# Altium PCB Iris.PcbDoc (part 7 of 13) (continued)
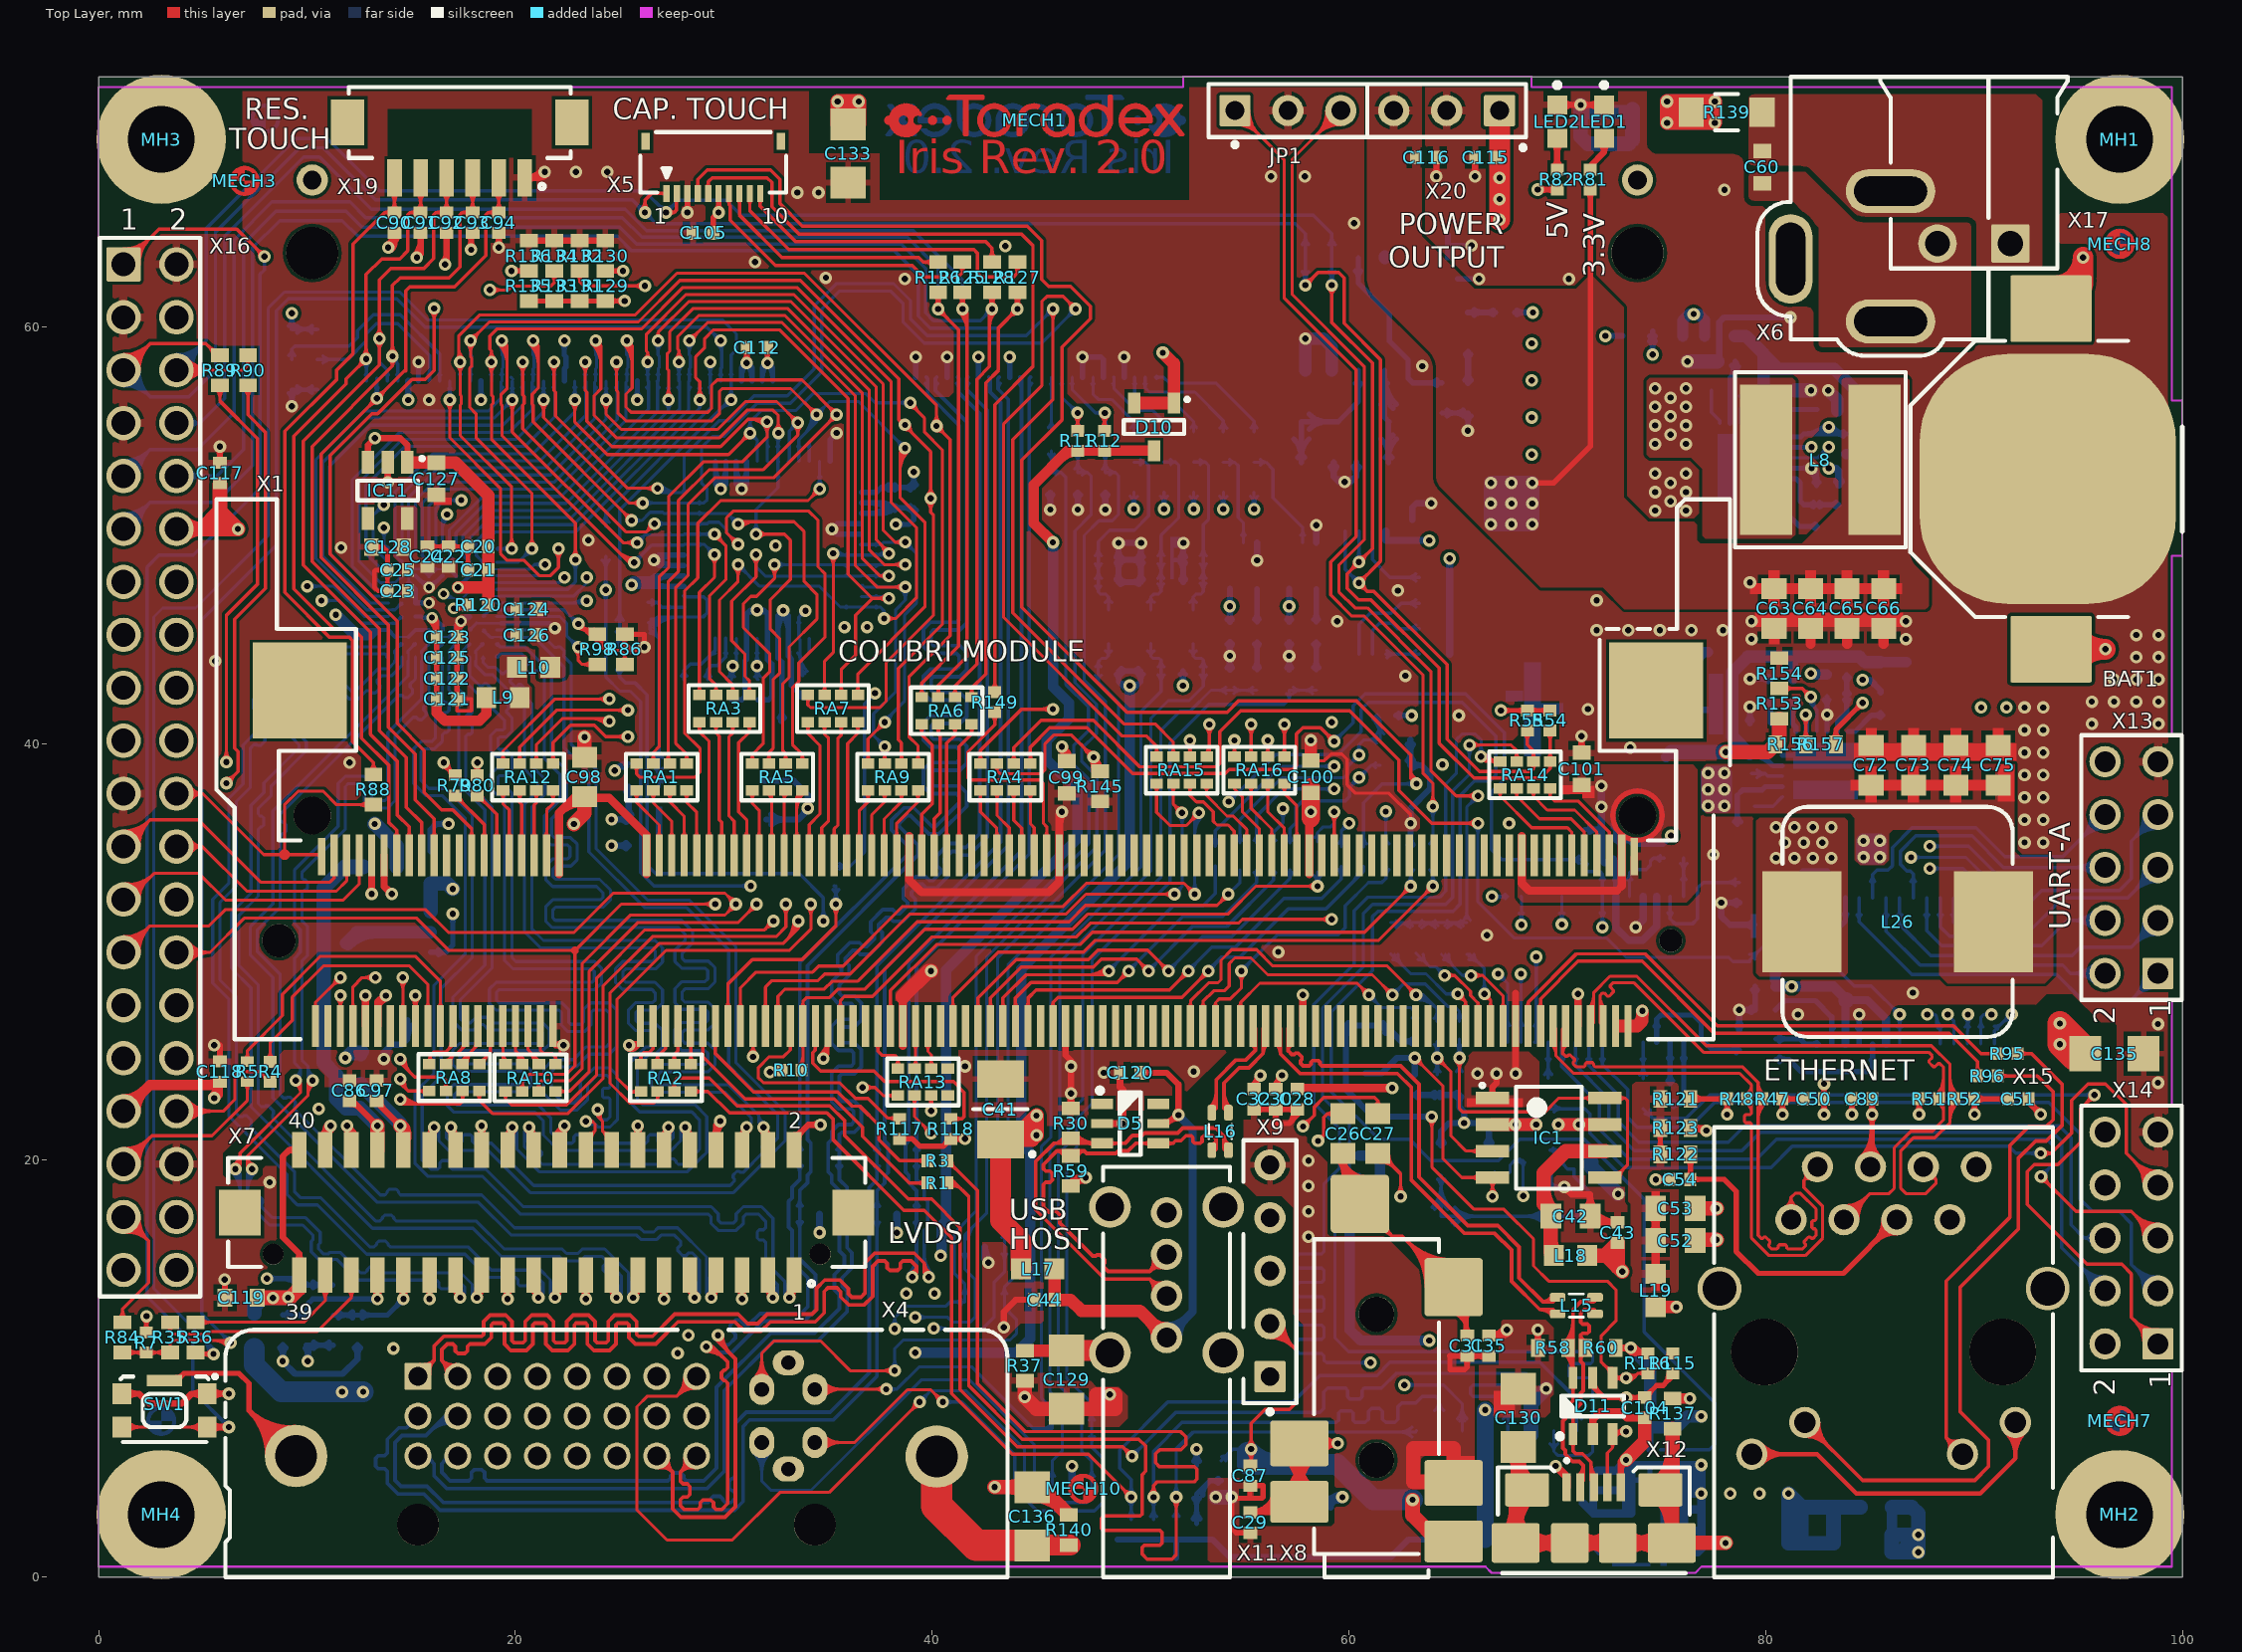
[diagram p0: Top Layer view]
## Nets (pads, with @x,y where several pads share a name; then routed paths per layer and width w, separated by ;. In a path a pad name is that pad's centre, name@x,y a point inside that pad or via, vN(x,y) a via of type N, cw(c..) or ccw(c..) an arc to the next point about the centre after c; other vN are vias at no path point) (continued)
  Bottom Layer w0.15: v1@16.013,21.432 cw(c15.815,20.962) 16.325,20.962 ; v1@16.071,21.52 cw(c15.91,21.137) 16.325,21.137 ; v1@16.129,21.658 cw(c16.005,21.363) 16.325,21.363 16.325,20.95 16.802,20.472 18.707,20.472 20.738,18.442 30.443,18.442 32.944,20.943 32.944,22.327 30.582,24.689 30.582,30.251 28.346,32.487 26.34,32.487 23.876,34.95 23.876,38.76 22.682,39.954 22.682,43.815 22.327,44.171 22.327,44.298 22.35,44.321 22.35,44.448 22.159,44.639 22.032,44.639 22.008,44.616 21.881,44.616 21.047,45.45 IC9.C9@19.1,45.45
LVDS_BL_CTRL: R35.1 X7.35 | length 12.5
  Top Layer w0.152: R35.1@3.289,12.026 cw(c3.108,11.76) 3.429,11.76 ; R35.1@3.429,12.231 3.429,11.76 ; R35.1@3.569,12.026 ccw(c3.75,11.76) 3.429,11.76 ; X7.35@11.951,13.789 cw(c11.648,13.42) 12.125,13.42 ; X7.35@12.125,14.5 12.125,13.42 ; X7.35@12.299,13.789 ccw(c12.602,13.42) 12.125,13.42 ; 3.429,11.76 3.531,11.659 5.232,11.659 5.359,11.786 10.49,11.786 12.125,13.42
LVDS_BL_ON: R36.1 X7.37 | length 9.9
  Top Layer w0.152: R36.1@4.648,12.231 9.844,12.231 10.875,13.263 X7.37@10.875,14.5 ; R36.1@4.924,12.055 cw(c5.349,11.631) 5.349,12.231 cw(c5.349,12.832) R36.1@4.924,12.407 ; X7.37@10.681,13.806 cw(c10.214,13.339) 10.875,13.339 cw(c11.536,13.339) X7.37@11.069,13.806
LVDS_DDRN#: IC9.E9 R133.2 R134.1 | length 53.9
  Top Layer w0.15: v1@18.674,61.822 v1@18.776,61.822 ; v1(18.776,61.771) 19.658,61.771 19.836,61.949 21.69,61.949 21.869,62.128 R134.1@21.869,62.687 ; v1@18.935,61.612 cw(c19.319,61.228) 19.319,61.771 cw(c19.319,62.315) v1@18.935,61.93 ; R134.1@21.709,62.498 cw(c21.421,62.154) 21.869,62.154 ; R134.1@21.709,62.495 cw(c21.425,62.154) 21.869,62.154 ; R134.1@22.029,62.495 ccw(c22.313,62.154) 21.869,62.154 ; R134.1@22.03,62.498 ccw(c22.318,62.154) 21.869,62.154
  MidLayer2 w0.15: v1@18.617,61.612 ccw(c18.233,61.228) 18.233,61.771 ccw(c18.233,62.315) v1@18.617,61.93 ; v1(18.776,61.771) 18.058,61.771 17.422,61.135 17.422,60.89 16.526,59.995 12.802,59.995 11.207,58.4 11.207,54.26 8.294,51.347 8.294,46.924 10.257,44.962 12.603,44.962 16.18,48.539 17.958,48.539 19.075,47.422 22.747,47.422 v1@23.419,46.75 ; 22.861,47.308 ccw(c23.419,47.865) v1@23.419,47.077 ; 23.107,47.062 cw(c22.896,46.852) v1@23.194,46.852 ; 23.117,47.051 ccw(c23.419,47.353) v1@23.419,46.927
  Bottom Layer w0.15: IC9.E9@19.1,46.75 23.317,46.75 v1(23.419,46.852) ; 22.63,46.75 ccw(c22.63,47.64) v1@23.26,47.011 ; 22.992,46.75 ccw(c22.992,47.278) v1@23.366,46.905 ; 23.121,46.75 cw(c23.121,46.554) v1@23.26,46.693
LVDS_I2C_SCL: R90.2 X7.38 | length 53.3
  Top Layer w0.165: v1(6.127,38.1) 6.68,38.653 6.68,39.624 6.528,39.776 6.528,45.974 8.001,47.447 8.001,54.937 7.163,55.775 R90.2@7.163,57.188 ; v1@6.127,38.318 ccw(c6.127,38.843) 6.499,38.471 ccw(c6.87,38.1) v1@6.345,38.1 ; R90.2@6.991,57.017 cw(c6.577,56.603) 7.163,56.603 cw(c7.748,56.603) R90.2@7.334,57.017
  Top Layer w0.3: X7.38@10.734,21.18 cw(c11.353,20.823) v1@11.168,21.513 ; X7.38@10.754,21.159 ccw(c10.568,21.404) 10.875,21.404 ; X7.38@10.788,20.952 cw(c11.099,21.124) 10.847,21.376 ; X7.38@10.818,21.324 cw(c11.135,21.141) v1@11.131,21.508 ; X7.38@10.875,20.5 10.875,21.404 ; X7.38@10.875,20.682 cw(c12.104,20.682) v1@11.235,21.552 ; 10.875,21.407 cw(c11.38,21.407) v1@11.023,21.764 ; v1@10.979,21.657 cw(c10.624,21.655) 10.875,21.404 ; X7.38@10.996,21.159 cw(c11.182,21.404) 10.875,21.404 ; X7.38@11.05,21.097 cw(c11.462,21.325) v1(11.129,21.658) 10.875,21.404 ; v1@11.128,21.508 ccw(c11.126,21.153) 10.875,21.404
  MidLayer1 w0.165: v1@5.973,37.946 cw(c5.602,37.575) 6.127,37.575 cw(c6.652,37.575) v1@6.281,37.946 ; 6.127,37.795 6.127,36.24 11.938,30.429 13.818,30.429 15.798,28.449 15.798,27.533 14.427,26.162 13.284,26.162 12.639,25.517 12.639,23.942 11.129,22.432 v1(11.129,21.658) ; v1@10.975,21.811 ccw(c10.604,22.183) 11.129,22.183 ccw(c11.654,22.183) v1@11.283,21.811
LVDS_I2C_SDA: R89.2 X7.36 | length 52.8
  Top Layer w0.165: R89.2@5.645,57.017 cw(c5.231,56.603) 5.817,56.603 cw(c6.402,56.603) R89.2@5.988,57.017 ; R89.2@5.817,57.188 5.817,56.439 7.62,54.635 7.62,47.65 6.127,46.158 v1(6.127,39.116) ; v1@5.973,39.27 ccw(c5.602,39.641) 6.127,39.641 ccw(c6.652,39.641) v1@6.281,39.27
  Top Layer w0.3: v1@11.816,21.552 cw(c11.069,20.805) X7.36@12.125,20.805 ; v1@11.884,21.513 cw(c11.714,20.871) X7.36@12.289,21.203 ; v1@11.93,21.508 cw(c11.947,21.221) 12.196,21.365 ; X7.36@11.964,21.118 ccw(c11.628,21.363) v1(11.922,21.658) v1@12.125,21.454 ; X7.36@11.99,21.147 ccw(c11.709,21.454) v1@12.125,21.454 ; X7.36@12.125,20.5 v1@12.125,21.454 ; 12.169,21.41 cw(c11.914,21.154) X7.36@12.206,20.941 ; X7.36@12.26,21.147 cw(c12.541,21.454) v1@12.125,21.454
  MidLayer1 w0.165: v1@6.127,38.898 cw(c6.127,38.373) 6.499,38.745 cw(c6.87,39.116) v1@6.345,39.116 ; v1(6.127,39.116) 6.67,38.573 6.67,36.357 12.131,30.896 14.011,30.896 16.265,28.642 16.265,27.339 14.621,25.695 13.478,25.695 13.106,25.324 13.106,23.622 11.922,22.437 v1(11.922,21.658) ; v1@11.768,21.811 ccw(c11.397,22.183) 11.922,22.183 ccw(c12.447,22.183) v1@12.076,21.811
LVDS_OE: IC9.D9 R98.2 R135.2 R136.1 | length 57.4
  Top Layer w0.15: v1@19.814,62.689 R136.1@20.744,62.689 ; v1@19.933,62.689 cw(c19.933,62.078) R136.1@20.365,62.51 ; v1@19.944,62.689 ccw(c19.944,63.285) R136.1@20.365,62.864 ; v1@19.971,62.53 cw(c20.355,62.146) 20.355,62.689 cw(c20.355,63.233) v1@19.971,62.849 ; v1@19.988,62.549 cw(c20.18,62.396) R136.1@20.244,62.633 ; v1@19.989,62.55 cw(c20.18,62.4) R136.1@20.243,62.635 ; v1@19.989,62.828 ccw(c20.18,62.979) R136.1@20.243,62.744 ; v1@19.99,62.827 ccw(c20.18,62.975) R136.1@20.242,62.742 ; 20.211,62.734 ccw(c20.299,62.408) 20.007,62.577 cw(c20.303,62.406) 20.214,62.736 ; 20.214,62.643 cw(c20.303,62.973) 20.007,62.802 ccw(c20.307,62.975) R136.1@20.217,62.641 ; R136.1@20.365,62.513 ccw(c19.938,62.086) 19.938,62.689 ccw(c19.938,63.293) R136.1@20.365,62.866 ; v1@22.867,44.455 cw(c22.558,44.114) 23.019,44.114 cw(c23.48,44.114) v1@23.17,44.455 ; v1(23.019,44.622) 23.019,43.987 23.204,43.801 R98.2@23.927,43.801 ; R98.2@23.649,43.626 ccw(c23.229,43.212) 23.229,43.801 ccw(c23.229,44.39) R98.2@23.649,43.977
  MidLayer2 w0.15: v1@19.653,62.53 ccw(c19.269,62.146) 19.269,62.689 ccw(c19.269,63.233) v1@19.653,62.849 ; v1(19.812,62.689) 17.96,62.689 17.069,61.798 17.069,61.036 16.383,60.35 12.065,60.35 10.668,58.953 10.668,54.483 7.755,51.57 7.755,46.701 9.835,44.622 v1(23.019,44.622) ; v1@22.86,44.463 ccw(c22.475,44.078) 22.475,44.622 ccw(c22.475,45.165) v1@22.86,44.781
  Bottom Layer w0.15: IC9.D9@19.1,46.1 22.124,46.1 22.454,45.771 22.454,45.187 v1(23.019,44.622) ; v1@22.794,44.622 ccw(c22.25,44.622) 22.634,45.006 ccw(c23.019,45.39) v1@23.019,44.847
LVDS_PWR_IN_UNREG: C119.2 L11.2 X7.39 X7.40 | length 13.4
  Top Layer w0.3: X7.39@9.484,15.141 ccw(c9.142,15.483) 9.625,15.483 ccw(c10.108,15.483) X7.39@9.766,15.141 ; X7.40@9.483,20.359 ccw(c9.146,20.027) 9.146,20.5 ; X7.40@9.483,20.641 cw(c9.146,20.973) 9.146,20.5 ; X7.39@9.625,13.841 X7.39@9.625,14.5 9.625,15.521 8.839,16.307 8.839,20.193 9.146,20.5 ; X7.40@9.625,20.5 9.146,20.5
  Top Layer w0.7: C119.2@7.608,13.411 8.966,13.411 9.195,13.411 X7.39@9.625,13.841
  Bottom Layer w0.7: L11.2@7.468,12.652 7.468,12.979 7.89,13.402 9.084,13.402 v1(9.093,13.411)
  other v1: 8.357,13.402
LVDS_RF#: IC9.G8 R129.2 R130.1 | length 57.4
  Top Layer w0.15: R129.2@24.308,62.687 v1@25.161,62.687 ; R129.2@24.508,62.508 cw(c24.94,62.076) v1@24.94,62.687 ; R129.2@24.508,62.51 cw(c24.935,62.084) 24.935,62.687 cw(c24.935,63.291) R129.2@24.508,62.864 ; R129.2@24.508,62.862 ccw(c24.93,63.283) v1@24.93,62.687 ; R129.2@24.731,62.631 cw(c24.795,62.394) v1@24.987,62.547 ; R129.2@24.732,62.633 cw(c24.795,62.398) v1@24.986,62.548 ; R129.2@24.732,62.742 ccw(c24.795,62.977) v1@24.986,62.826 ; 24.733,62.74 ccw(c24.795,62.972) v1@24.985,62.825 ; 24.758,62.638 ccw(c24.668,62.973) 24.968,62.8 cw(c24.672,62.971) 24.761,62.641 ; 24.761,62.734 cw(c24.672,62.404) 24.968,62.575 ccw(c24.677,62.406) 24.764,62.732 ; v1@25.004,62.528 ccw(c24.62,62.144) 24.62,62.687 ccw(c24.62,63.23) v1@25.004,62.846
  MidLayer2 w0.15: 11.086,45.658 9.373,47.371 9.373,50.901 12.285,53.813 12.285,56.684 12.776,57.175 16.104,57.175 16.713,57.785 16.713,59.08 17.78,60.147 25.806,60.147 27.026,61.366 27.026,62.332 26.67,62.687 v1(25.163,62.687) ; 11.1,45.644 11.786,45.644 15.596,49.454 18.566,49.454 19.423,48.596 v1(21.428,48.596) v1@21.441,48.596 ; v1@21.269,48.437 ccw(c20.885,48.053) 20.885,48.596 ccw(c20.885,49.14) v1@21.269,48.755 ; v1@25.322,62.528 cw(c25.706,62.144) 25.706,62.687 cw(c25.706,63.23) v1@25.322,62.846
  Bottom Layer w0.105: 18.924,48.375 19.276,48.375
  Bottom Layer w0.15: IC9.G8@18.45,48.05 18.775,48.375 18.924,48.375 ; IC9.G8@18.45,48.12 ccw(c18.45,48.289) 18.569,48.169 ccw(c18.689,48.05) IC9.G8@18.52,48.05 ; 19.276,48.375 20.689,48.375 20.91,48.596 ; v1@21.264,48.443 ccw(c20.91,48.113) 20.91,48.596 ; v1@21.264,48.75 cw(c20.91,49.08) 20.91,48.596 ; v1(21.428,48.596) 20.91,48.596
LVDS_RS: IC9.F8 R131.2 R132.1 | length 56.9
  Top Layer w0.15: R131.2@22.944,62.483 cw(c22.748,62.205) 23.089,62.205 ; R131.2@22.944,62.486 cw(c22.744,62.205) 23.089,62.205 ; R132.1@23.089,62.687 23.089,62.154 23.278,61.964 v1(26.213,61.964) ; R131.2@23.233,62.483 ccw(c23.429,62.205) 23.089,62.205 ; R131.2@23.234,62.486 ccw(c23.434,62.205) 23.089,62.205 ; v1@26.059,61.811 ccw(c25.688,61.439) 25.688,61.964 ccw(c25.688,62.489) v1@26.059,62.118
  MidLayer2 w0.15: v1@22.193,47.822 ccw(c21.809,47.437) 21.809,47.981 ccw(c21.809,48.524) v1@22.193,48.14 ; v1(22.352,47.981) 19.279,47.981 18.263,48.997 15.875,48.997 12.181,45.303 10.678,45.303 8.834,47.148 8.834,51.124 11.746,54.036 11.746,57.06 12.344,57.658 15.85,57.658 16.18,57.988 16.18,59.106 17.704,60.63 23.266,60.63 24.601,61.964 v1(26.213,61.964) ; v1@26.054,61.805 ccw(c25.67,61.421) 25.67,61.964 ccw(c25.67,62.508) v1@26.054,62.123
  Bottom Layer w0.105: 18.924,47.725 19.276,47.725
  Bottom Layer w0.15: IC9.F8@18.45,47.4 18.775,47.725 18.924,47.725 ; IC9.F8@18.45,47.47 ccw(c18.45,47.639) 18.569,47.519 ccw(c18.689,47.4) IC9.F8@18.52,47.4 ; 19.276,47.725 22.096,47.725 ; v1@22.142,47.902 cw(c21.969,47.852) 22.096,47.725 ; v1@22.278,47.769 ccw(c22.224,47.598) 22.096,47.725 ; v1(22.352,47.981) 22.096,47.725
LVDS_SEL_1: R40.1 R41.2 R42.1 X7.31 | length 10.3
  Top Layer w0.3: X7.31@14.484,13.859 cw(c14.142,13.517) 14.625,13.517 cw(c15.108,13.517) X7.31@14.766,13.859 ; v1@14.518,13.448 ccw(c14.345,13.62) X7.31@14.581,13.683 ; v1@14.519,13.448 ccw(c14.263,13.705) 14.625,13.705 ccw(c14.987,13.705) v1@14.731,13.448 ; v1(14.625,13.342) X7.31@14.625,14.5 ; X7.31@14.669,13.683 ccw(c14.905,13.62) v1@14.732,13.448
  Bottom Layer w0.254: R40.1@11.261,12.572 13.854,12.572 v1(14.625,13.342) ; R40.1@11.501,12.434 cw(c11.833,12.103) 11.833,12.572 ; R40.1@11.501,12.437 cw(c11.827,12.111) 11.827,12.572 ; R40.1@11.501,12.714 ccw(c11.846,13.059) 11.846,12.572 ; R40.1@11.501,12.717 ccw(c11.852,13.067) 11.852,12.572 ; 11.806,12.572 ccw(c11.806,13.102) R42.1@12.181,12.727 ; 11.879,12.572 cw(c11.879,12.146) R42.1@12.181,12.447 ; R42.1@12.661,12.447 cw(c12.962,12.146) 12.962,12.572 ; R42.1@12.661,12.727 ccw(c13.035,13.102) 13.035,12.572 ; v1@14.452,13.342 cw(c14.034,13.342) 14.33,13.047 cw(c14.625,12.752) v1@14.625,13.169
LVDS_SEL_2: R44.2 R45.1 R46.1 X7.33 | length 11.1
  Top Layer w0.3: X7.33@13.234,13.859 cw(c12.892,13.517) 13.375,13.517 cw(c13.858,13.517) X7.33@13.516,13.859 ; v1@13.268,13.448 ccw(c13.095,13.62) X7.33@13.331,13.683 ; v1@13.269,13.448 ccw(c13.013,13.705) 13.375,13.705 ccw(c13.737,13.705) v1@13.481,13.448 ; v1(13.375,13.342) X7.33@13.375,14.5 ; X7.33@13.419,13.683 ccw(c13.655,13.62) v1@13.482,13.448
  Bottom Layer w0.254: R46.1@8.839,12.577 R44.2@10.042,12.577 10.042,13.116 10.269,13.342 v1(13.375,13.342) ; R46.1@9.079,12.437 cw(c9.417,12.099) 9.417,12.577 cw(c9.417,13.055) R46.1@9.079,12.717 ; 9.459,12.577 cw(c9.459,12.091) R45.1@9.802,12.434 ; 9.469,12.577 ccw(c9.469,13.047) R45.1@9.802,12.714 ; R45.1@9.902,12.714 ccw(c9.564,13.052) 10.042,13.052 ccw(c10.52,13.052) R45.1@10.182,12.714 ; v1@13.253,13.22 ccw(c12.957,12.925) 12.957,13.342 ccw(c12.957,13.76) v1@13.253,13.465
MIC_IN: C87.2 R124.2 R158.1 X1.1 X8.1 X9.2 | length 116.4
  Top Layer w0.152: X1.1@10.33,27.341 ccw(c10.161,27.51) 10.4,27.51 ccw(c10.639,27.51) X1.1@10.47,27.341 ; X1.1@10.4,26.446 10.4,27.569 v1(11.6,28.769) ; v1@11.376,28.769 cw(c10.836,28.769) 11.218,28.387 cw(c11.6,28.005) v1@11.6,28.545
  Top Layer w0.165: v1@55.154,5.993 cw(c54.782,5.622) 55.307,5.622 cw(c55.832,5.622) v1@55.461,5.993 ; v1@55.154,6.301 ccw(c54.782,6.672) 55.307,6.672 ccw(c55.832,6.672) v1@55.461,6.301 ; C87.2@55.204,5.546 ccw(c55.066,5.785) 55.332,5.714 ; C87.2@55.307,5.367 v1(55.307,6.147) 55.307,7.378 55.982,8.052 57.15,8.052 57.506,8.407 57.506,10.867 X9.2@56.213,12.16 ; v1@55.338,6.116 v1@55.369,6.147 ; X9.2@56.213,11.493 cw(c56.213,9.881) 57.352,11.021 cw(c58.492,12.16) X9.2@56.88,12.16 ; X9.2@56.213,11.658 cw(c56.213,10.444) 57.071,11.302 cw(c57.929,12.16) X9.2@56.715,12.16 ; X9.2@56.213,11.823 cw(c56.213,11.008) 56.789,11.584 cw(c57.365,12.16) X9.2@56.55,12.16
  Top Layer w0.7: v1(63.058,3.708) 63.058,2.956 64.3,1.715 X8.1@65.029,1.715
  MidLayer2 w0.165: v1(11.6,28.769) 12.987,30.156 15.736,30.156 16.196,29.696 35.701,29.696 38.448,26.949 55.131,26.949 59.982,22.098 59.982,15.929 X9.2@56.213,12.16 ; v1@11.6,28.986 ccw(c11.6,29.511) 11.971,29.14 ccw(c12.343,28.769) v1@11.817,28.769 ; 56.789,12.736 ccw(c57.365,12.16) 56.55,12.16 cw(c57.365,12.16) 56.789,12.736 ; 56.789,12.736 cw(c56.213,13.312) 56.213,12.497 ccw(c56.213,13.312) 56.789,12.736 ; 57.071,13.018 ccw(c57.929,12.16) 56.715,12.16 cw(c57.929,12.16) 57.071,13.018 ; 57.071,13.018 cw(c56.213,13.876) 56.213,12.662 ccw(c56.213,13.876) 57.071,13.018 ; 57.352,13.299 ccw(c58.492,12.16) 56.88,12.16 cw(c58.492,12.16) 57.352,13.299 ; 57.352,13.299 cw(c56.213,14.439) 56.213,12.828 ccw(c56.213,14.439) 57.352,13.299
  Bottom Layer w0.165: R124.2@53.873,5.585 54.435,6.147 v1(55.307,6.147) R158.1@55.307,5.41 ; R124.2@53.898,5.788 ccw(c53.898,6.216) 54.201,5.913 ; R124.2@54.101,5.585 cw(c54.65,5.585) 54.262,5.974 ; R158.1@55.136,5.326 ccw(c54.722,5.74) 55.307,5.74 ccw(c55.893,5.74) R158.1@55.479,5.326 ; v1@55.154,6.301 cw(c54.782,6.672) 54.782,6.147 cw(c54.782,5.622) 55.154,5.993 cw(c54.782,5.622) 55.307,5.622 cw(c55.832,5.622) v1@55.461,5.993
  Bottom Layer w1: v1@55.118,5.994 55.118,5.41 59.461,5.41 61.163,3.708 v1(63.058,3.708) ; v1@55.217,6.005 ccw(c56.654,7.442) 56.654,5.41
MM_CD: R24.1 RA2.8 T3.3 | length 67.5
  Top Layer w0.15: 25.635,23.278 cw(c25.635,22.975) RA2.8@25.849,23.189 ; RA2.8@25.833,23.418 cw(c25.553,23.628) 25.553,23.278 ; RA2.8@26.06,23.278 25.553,23.278 ; v1@34.022,32.139 cw(c33.638,31.755) 34.181,31.755 cw(c34.724,31.755) v1@34.34,32.139 ; v1(34.181,32.298) 34.181,31.099 33.157,30.075 27.23,30.075 24.867,27.711 24.867,23.964 25.553,23.278
  MidLayer2 w0.152: v1(34.181,32.298) 34.714,32.83 35.623,32.83 38.837,29.616 55.169,29.616 61.849,22.936 64.922,22.936 65.43,22.428 66.015,22.428 66.294,22.149 66.294,20.359 v1(68.365,18.288) ; v1@34.181,32.522 ccw(c34.181,33.062) 34.563,32.68 ccw(c34.945,32.298) v1@34.405,32.298 ; v1@68.141,18.288 ccw(c67.601,18.288) 67.983,18.67 ccw(c68.365,19.052) v1@68.365,18.512
  Bottom Layer w0.15: R24.1@66.726,19.265 67.55,19.265 67.742,19.456 67.742,19.787 67.945,19.99 T3.3@68.362,19.99 ; R24.1@67.003,19.088 cw(c67.429,18.661) 67.429,19.265 cw(c67.429,19.868) R24.1@67.003,19.442 ; T3.3@68.218,19.901 ccw(c68.005,19.688) 68.005,19.99 ccw(c68.005,20.292) T3.3@68.218,20.078 ; T3.3@68.273,19.901 cw(c68.052,19.68) 68.365,19.68 ; v1(68.365,18.288) T3.3@68.365,19.99 ; 68.365,19.696 cw(c68.655,19.696) T3.3@68.45,19.901
MM_CD_S: RA2.4 X1.43 | length 3.1
  Top Layer w0.165: RA2.4@25.912,24.739 ccw(c25.701,24.981) 26.023,24.981 ccw(c26.344,24.981) RA2.4@26.133,24.739 ; RA2.4@26.023,24.613 26.023,25.032 26.162,25.171 26.416,25.171 26.6,25.355 X1.43@26.6,26.446 ; X1.43@26.535,25.556 cw(c26.377,25.398) 26.6,25.398 cw(c26.823,25.398) X1.43@26.665,25.556
MM_CLK: RA2.6 X10.5 | length 67.2
  Top Layer w0.165: RA2.6@27.504,23.431 ccw(c27.218,23.717) 27.623,23.717 ccw(c28.027,23.717) RA2.6@27.741,23.431 ; RA2.6@27.623,23.313 27.623,23.787 27.788,23.952 29.312,23.952 30.65,22.614 35.09,22.614 35.789,21.916 35.789,21.209 38.857,18.141 39.974,18.141 41.343,16.772 41.343,9 44.086,6.257 49.141,6.257 v1(49.594,5.804) ; v1@49.376,5.804 ccw(c48.851,5.804) 49.222,6.175 ccw(c49.594,6.546) v1@49.594,6.021
  Bottom Layer w0.165: v1(49.594,5.804) 51.689,7.899 58.598,7.899 58.801,8.103 58.801,8.89 58.979,9.068 59.838,9.068 59.942,8.963 59.942,8.655 60.046,8.551 60.533,8.551 60.638,8.655 60.638,8.963 60.742,9.068 61.57,9.068 62.28,9.778 68.479,9.778 68.631,9.627 68.631,9.373 68.478,9.22 65.964,9.22 65.837,9.093 65.837,8.788 65.964,8.661 67.285,8.661 67.639,8.307 X10.5@67.639,7.015 ; v1@49.594,6.021 ccw(c49.594,6.546) 49.965,6.175 ccw(c50.336,5.804) v1@49.811,5.804 ; X10.5@67.414,7.59 ccw(c66.872,8.132) 67.639,8.132 ccw(c68.406,8.132) X10.5@67.864,7.59
MM_CLK_S: RA2.2 X1.47 | length 2.9
  Top Layer w0.165: RA2.2@27.504,24.731 ccw(c27.218,25.017) 27.623,25.017 ccw(c28.027,25.017) RA2.2@27.741,24.731 ; RA2.2@27.623,24.613 27.623,25.083 27.8,25.26 X1.47@27.8,26.446 ; X1.47@27.735,25.556 cw(c27.577,25.398) 27.8,25.398 cw(c28.023,25.398) X1.47@27.865,25.556
MM_CMD: R101.1 RA14.5 X10.3 | length 66.7
  Top Layer w0.15: v1@66.285,39.331 ccw(c66.654,39.611) 66.654,39.148 ; v1(66.345,39.376) 66.573,39.148 ; v1@66.405,39.422 ccw(c66.957,39.841) 66.957,39.148 ; v1@66.439,39.172 cw(c66.489,39.063) 66.573,39.148 ; v1@66.524,39.512 ccw(c67.259,40.071) RA14.5@67.259,39.148 66.573,39.148 ; v1@66.549,39.282 ccw(c66.658,39.232) 66.573,39.148 ; RA14.5@67.085,39.024 ccw(c66.787,38.725) 66.787,39.148 ccw(c66.787,39.57) RA14.5@67.085,39.271
  MidLayer2 w0.152: v1@61.036,10.063 cw(c61.036,9.523) 61.418,9.905 cw(c61.8,10.287) v1@61.26,10.287 ; v1(61.036,10.287) 62.103,9.22 v1(62.662,9.22) ; v1@62.504,9.062 ccw(c62.122,8.68) 62.122,9.22 ccw(c62.122,9.76) v1@62.504,9.378
  Bottom Layer w0.15: 58.318,22.758 58.318,27.483 60.25,29.414 60.25,31.978 60.899,32.627 64.352,32.627 64.643,32.918 64.643,38.049 65.151,38.557 65.151,40.183 65.43,40.462 66.065,40.462 66.345,40.183 v1(66.345,39.376) ; v1(62.662,9.22) v1@62.687,9.246 ; v1@66.186,39.535 ccw(c65.802,39.919) 66.345,39.919 ccw(c66.888,39.919) v1@66.504,39.535
  Bottom Layer w0.152: 58.318,22.758 59.54,21.537 R101.1@59.54,20.218 59.54,19.611 58.801,18.872 58.801,16.535 58.801,16.194 58.801,15.613 58.699,15.511 57.623,15.511 57.521,15.409 57.521,14.931 57.623,14.828 58.699,14.828 58.801,14.726 58.801,14.248 58.699,14.145 57.623,14.145 57.521,14.043 57.521,13.565 57.623,13.462 58.699,13.462 58.801,13.36 58.801,12.882 58.699,12.779 57.623,12.779 57.521,12.677 57.521,12.199 57.623,12.097 58.699,12.097 58.801,11.994 58.801,11.516 58.699,11.414 57.623,11.414 57.521,11.311 57.521,10.833 57.623,10.731 58.699,10.731 58.801,10.628 58.801,10.49 58.801,10.414 58.928,10.287 v1(61.036,10.287) ; v1(62.662,9.22) 64.541,9.22 65.439,8.323 X10.3@65.439,7.015 ; v1@62.662,9.246 v1@62.687,9.246 ; v1@62.82,9.062 cw(c63.202,8.68) 63.202,9.22 cw(c63.202,9.76) v1@62.82,9.378 ; X10.3@65.21,7.594 ccw(c64.657,8.147) 65.439,8.147 ccw(c66.221,8.147) X10.3@65.668,7.594 ; X10.3@65.318,7.487 ccw(c65.025,7.779) 65.439,7.779 ccw(c65.853,7.779) X10.3@65.56,7.487 ; 60.496,10.287 cw(c60.496,9.747) 60.878,10.129 ccw(c60.496,9.747) 60.496,10.287 ; 60.496,10.287 ccw(c60.496,10.827) 60.878,10.445 cw(c60.496,10.827) 60.496,10.287
MM_CMD_S: RA14.1 X1.190 | length 6.5
  Top Layer w0.152: RA14.1@67.148,37.714 cw(c66.953,37.478) 67.259,37.478 ; RA14.1@67.259,37.848 67.259,37.478 ; RA14.1@67.37,37.714 ccw(c67.565,37.478) 67.259,37.478 ; X1.190@70.63,35.541 ccw(c70.461,35.71) 70.7,35.71 ccw(c70.939,35.71) X1.190@70.77,35.541 ; X1.190@70.7,34.646 70.7,35.755 70.491,35.964 68.774,35.964 67.259,37.478
MM_DAT_0: R103.1 RA14.6 X10.7 | length 63.7
  Top Layer w0.152: v1(65.786,39.935) 67.786,39.935 68.059,39.662 RA14.6@68.059,39.148 ; v1@65.944,39.777 cw(c66.326,39.395) 66.326,39.935 cw(c66.326,40.475) v1@65.944,40.093 ; RA14.6@67.936,39.271 ccw(c67.64,39.567) 68.059,39.567 ccw(c68.479,39.567) RA14.6@68.182,39.271 ; RA14.6@67.996,39.31 ccw(c67.961,39.402) 68.059,39.402 ccw(c68.158,39.402) RA14.6@68.122,39.31
  Bottom Layer w0.152: v1@65.628,39.777 cw(c65.246,39.395) 65.786,39.395 cw(c66.326,39.395) v1@65.944,39.777 ; v1(65.786,39.935) 65.786,38.532 64.983,37.729 64.983,32.623 64.647,32.288 61.141,32.288 60.691,31.838 60.691,29.267 58.735,27.31 58.735,23.028 60.02,21.742 60.02,19.431 60.122,19.329 R103.1@60.531,19.329 60.531,18.773 59.334,17.577 59.334,11.481 59.995,10.82 71.552,10.82 71.704,10.668 71.704,10.541 71.704,10.347 71.602,10.245 70.654,10.245 70.551,10.142 70.551,9.664 70.654,9.562 71.602,9.562 71.704,9.459 71.704,9.22 71.704,6.02 71.526,5.842 70.028,5.842 69.839,6.031 ; X10.7@69.649,6.403 cw(c69.379,6.031) 69.839,6.031 ; X10.7@69.839,7.015 69.839,6.031 ; X10.7@70.029,6.403 ccw(c70.299,6.031) 69.839,6.031
MM_DAT_0_S: RA14.2 X1.192 | length 6.3
  Top Layer w0.152: RA14.2@67.948,37.714 cw(c67.753,37.478) 68.059,37.478 ; RA14.2@68.059,37.848 68.059,37.478 ; RA14.2@68.17,37.714 ccw(c68.365,37.478) 68.059,37.478 ; X1.192@71.23,35.541 ccw(c71.061,35.71) 71.3,35.71 ccw(c71.539,35.71) X1.192@71.37,35.541 ; X1.192@71.3,34.646 71.3,35.755 70.667,36.388 69.149,36.388 68.059,37.478
MM_DAT_1: R102.1 RA2.5 X10.8 | length 68.8
  Top Layer w0.165: RA2.5@28.423,23.313 29.24,23.313 30.277,22.276 34.95,22.276 35.26,21.967 35.26,20.976 38.633,17.602 39.624,17.602 40.928,16.298 40.928,8.805 43.84,5.893 47.498,5.893 v1(49.555,3.835) ; RA2.5@28.591,23.194 cw(c28.877,22.908) 28.877,23.313 cw(c28.877,23.717) RA2.5@28.591,23.431 ; v1@49.338,3.835 ccw(c48.813,3.835) 49.184,4.207 ccw(c49.555,4.578) v1@49.555,4.053
  Bottom Layer w0.165: v1@49.402,3.682 cw(c49.03,3.31) 49.555,3.31 cw(c50.08,3.31) v1@49.709,3.682 ; v1@49.402,3.989 ccw(c49.03,4.36) 49.555,4.36 ccw(c50.08,4.36) v1@49.709,3.989 ; R102.1@49.412,2.909 ccw(c49.067,3.255) 49.555,3.255 ccw(c50.044,3.255) R102.1@49.699,2.909 ; R102.1@49.555,2.766 v1(49.555,3.835) 49.555,4.674 48.997,5.232 48.997,6.096 51.308,8.407 57.328,8.407 58.598,9.677 61.341,9.677 61.976,10.312 69.164,10.312 70.939,8.538 X10.8@70.939,7.015 ; X10.8@70.715,7.59 ccw(c70.172,8.132) 70.939,8.132 ccw(c71.706,8.132) X10.8@71.164,7.59
MM_DAT_1_S: RA2.1 X1.49 | length 2.9
  Top Layer w0.165: RA2.1@28.304,24.731 ccw(c28.018,25.017) 28.423,25.017 ccw(c28.827,25.017) RA2.1@28.541,24.731 ; X1.49@28.335,25.556 cw(c28.122,25.343) 28.423,25.343 ; RA2.1@28.423,24.46 X1.49@28.423,26.446
MM_DAT_2: R1.2 R105.1 X10.1 | length 57.1
  Top Layer w0.165: R1.2@40.677,19.001 cw(c40.839,18.71) 41.075,18.946 ; R1.2@40.739,18.915 41.106,18.915 ; R1.2@40.757,18.857 cw(c40.95,18.512) 41.229,18.791 ; R1.2@40.838,18.713 cw(c41.06,18.314) 41.383,18.637 ; R1.2@40.91,18.807 cw(c41.106,18.684) 41.106,18.915 ; R1.2@40.91,19.022 ccw(c41.106,19.145) 41.106,18.915 ; v1@51.561,3.682 cw(c51.189,3.31) 51.714,3.31 cw(c52.239,3.31) v1@51.868,3.682 ; v1(51.714,3.835) 51.714,1.067 51.511,0.864 50.317,0.864 50.089,1.092 50.089,1.434 50.193,1.538 50.94,1.538 51.044,1.642 51.044,2.129 50.94,2.233 48.216,2.233 48.112,2.338 48.112,2.825 48.216,2.929 49.984,2.929 50.089,3.033 50.089,4.928 50.241,5.08 50.241,6.299 49.919,6.621 44.325,6.621 41.758,9.188 41.758,18.263 41.106,18.915
  Bottom Layer w0.165: v1@51.561,3.682 cw(c51.189,3.31) 51.714,3.31 cw(c52.239,3.31) v1@51.868,3.682 ; v1@51.561,3.989 ccw(c51.189,4.36) 51.714,4.36 ccw(c52.239,4.36) v1@51.868,3.989 ; R105.1@51.571,2.909 ccw(c51.226,3.255) 51.714,3.255 ccw(c52.203,3.255) R105.1@51.858,2.909 ; R105.1@51.714,2.766 v1(51.714,3.835) 51.714,6.147 52.527,6.96 63.183,6.96 X10.1@63.239,7.015 ; X10.1@63.015,6.735 ccw(c62.472,6.193) 62.472,6.96 ccw(c62.472,7.726) X10.1@63.015,7.184
MM_DAT_2_S: R1.1 X1.51 | length 16.1
  Top Layer w0.165: X1.51@28.935,25.556 cw(c28.777,25.398) 29,25.398 cw(c29.223,25.398) X1.51@29.065,25.556 ; X1.51@29,26.446 29,24.975 31.023,22.952 35.29,22.952 36.652,21.59 36.652,21.158 38.896,18.915 R1.1@39.779,18.915 ; R1.1@39.636,18.771 ccw(c39.29,18.426) 39.29,18.915 ccw(c39.29,19.404) R1.1@39.636,19.058
MM_DAT_3: R3.2 R104.1 X10.2 | length 56.7
  Top Layer w0.165: R3.2@40.739,19.754 cw(c40.739,19.205) 41.127,19.593 ; R3.2@40.739,19.981 42.172,18.548 42.172,9.288 44.475,6.985 51.918,6.985 52.172,6.731 52.172,6.35 51.943,6.121 50.927,6.121 50.724,5.918 50.724,5.486 50.902,5.309 52.578,5.309 52.705,5.182 52.705,4.699 52.578,4.572 50.8,4.572 50.622,4.394 v1(50.622,3.835) ; R3.2@40.941,19.956 ccw(c41.37,19.956) 41.067,19.653 ; v1@50.468,3.989 ccw(c50.097,4.36) 50.622,4.36 ccw(c51.147,4.36) v1@50.776,3.989
  Bottom Layer w0.165: v1@50.468,3.682 cw(c50.097,3.31) 50.622,3.31 cw(c51.147,3.31) v1@50.776,3.682 ; v1@50.468,3.989 ccw(c50.097,4.36) 50.622,4.36 ccw(c51.147,4.36) v1@50.776,3.989 ; R104.1@50.479,2.909 ccw(c50.133,3.255) 50.622,3.255 ccw(c51.111,3.255) R104.1@50.765,2.909 ; R104.1@50.622,2.766 v1(50.622,3.835) 50.622,6.045 51.994,7.417 59.157,7.417 59.4,7.417 59.504,7.521 59.504,7.871 59.609,7.976 60.096,7.976 60.2,7.871 60.2,7.521 60.304,7.417 60.503,7.417 60.782,7.417 60.935,7.569 60.935,7.95 61.087,8.103 61.468,8.103 61.62,7.95 61.62,7.569 61.773,7.417 62.205,7.417 62.357,7.569 62.357,8.179 62.535,8.357 63.221,8.357 63.525,8.661 64.16,8.661 64.339,8.483 ; X10.2@64.126,8 ccw(c63.687,8.483) 64.339,8.483 ; X10.2@64.339,7.415 64.339,8.483 ; X10.2@64.552,8 cw(c64.991,8.483) 64.339,8.483
MM_DAT_3_S: R3.1 X1.53 | length 15.2
  Top Layer w0.165: X1.53@29.535,25.556 cw(c29.377,25.398) 29.6,25.398 cw(c29.823,25.398) X1.53@29.665,25.556 ; X1.53@29.6,26.446 29.6,25.112 31.421,23.29 35.46,23.29 36.148,22.602 36.529,22.602 37.44,21.692 37.44,20.98 38.439,19.981 R3.1@39.779,19.981 ; R3.1@39.636,19.838 ccw(c39.29,19.493) 39.29,19.981 ccw(c39.29,20.47) R3.1@39.636,20.125
MMC_CD: D6.1 R27.1 T3.1 X10.CD1 X10.CD2 | length 27.8
  Bottom Layer w0.165: X10.CD2@63.992,17.752 ccw(c62.938,18.806) 64.429,18.806 ccw(c65.92,18.806) X10.CD2@64.866,17.752 ; X10.CD2@64.109,17.635 ccw(c63.337,18.408) 64.429,18.408 ccw(c65.521,18.408) X10.CD2@64.749,17.635 ; R27.1@64.258,19.093 cw(c63.844,18.679) 64.429,18.679 cw(c65.014,18.679) R27.1@64.6,19.093 ; R27.1@64.429,19.265 X10.CD2@64.429,17.315 X10.CD1@70.093,17.315 ; X10.CD2@64.949,16.995 cw(c65.721,16.223) 65.721,17.315 cw(c65.721,18.408) X10.CD2@64.949,17.635 ; X10.CD2@65.066,16.879 cw(c66.12,15.825) 66.12,17.315 cw(c66.12,18.806) X10.CD2@65.066,17.752 ; X10.CD1@69.492,16.879 ccw(c68.438,15.825) 68.438,17.315 ccw(c68.438,18.806) X10.CD1@69.492,17.752 ; X10.CD1@69.609,16.995 ccw(c68.837,16.223) 68.837,17.315 ccw(c68.837,18.408) X10.CD1@69.609,17.635 ; T3.1@69.662,20.49 70.087,20.49 70.282,20.295 70.282,19.812 70.505,19.589 D6.1@70.797,19.589 70.797,19.246 71.476,18.567 71.476,17.551 71.24,17.315 ; T3.1@69.8,20.407 cw(c70,20.206) 70,20.49 cw(c70,20.773) T3.1@69.8,20.573 ; X10.CD1@70.325,17.315 X10.CD1@70.129,17.315 71.24,17.315 ; X10.CD1@70.903,17.087 cw(c71.24,16.953) 71.24,17.315 ; X10.CD1@70.903,17.544 ccw(c71.24,17.678) 71.24,17.315